# KiCad board led_mapper_850_mirrored.kicad_pcb (continued)
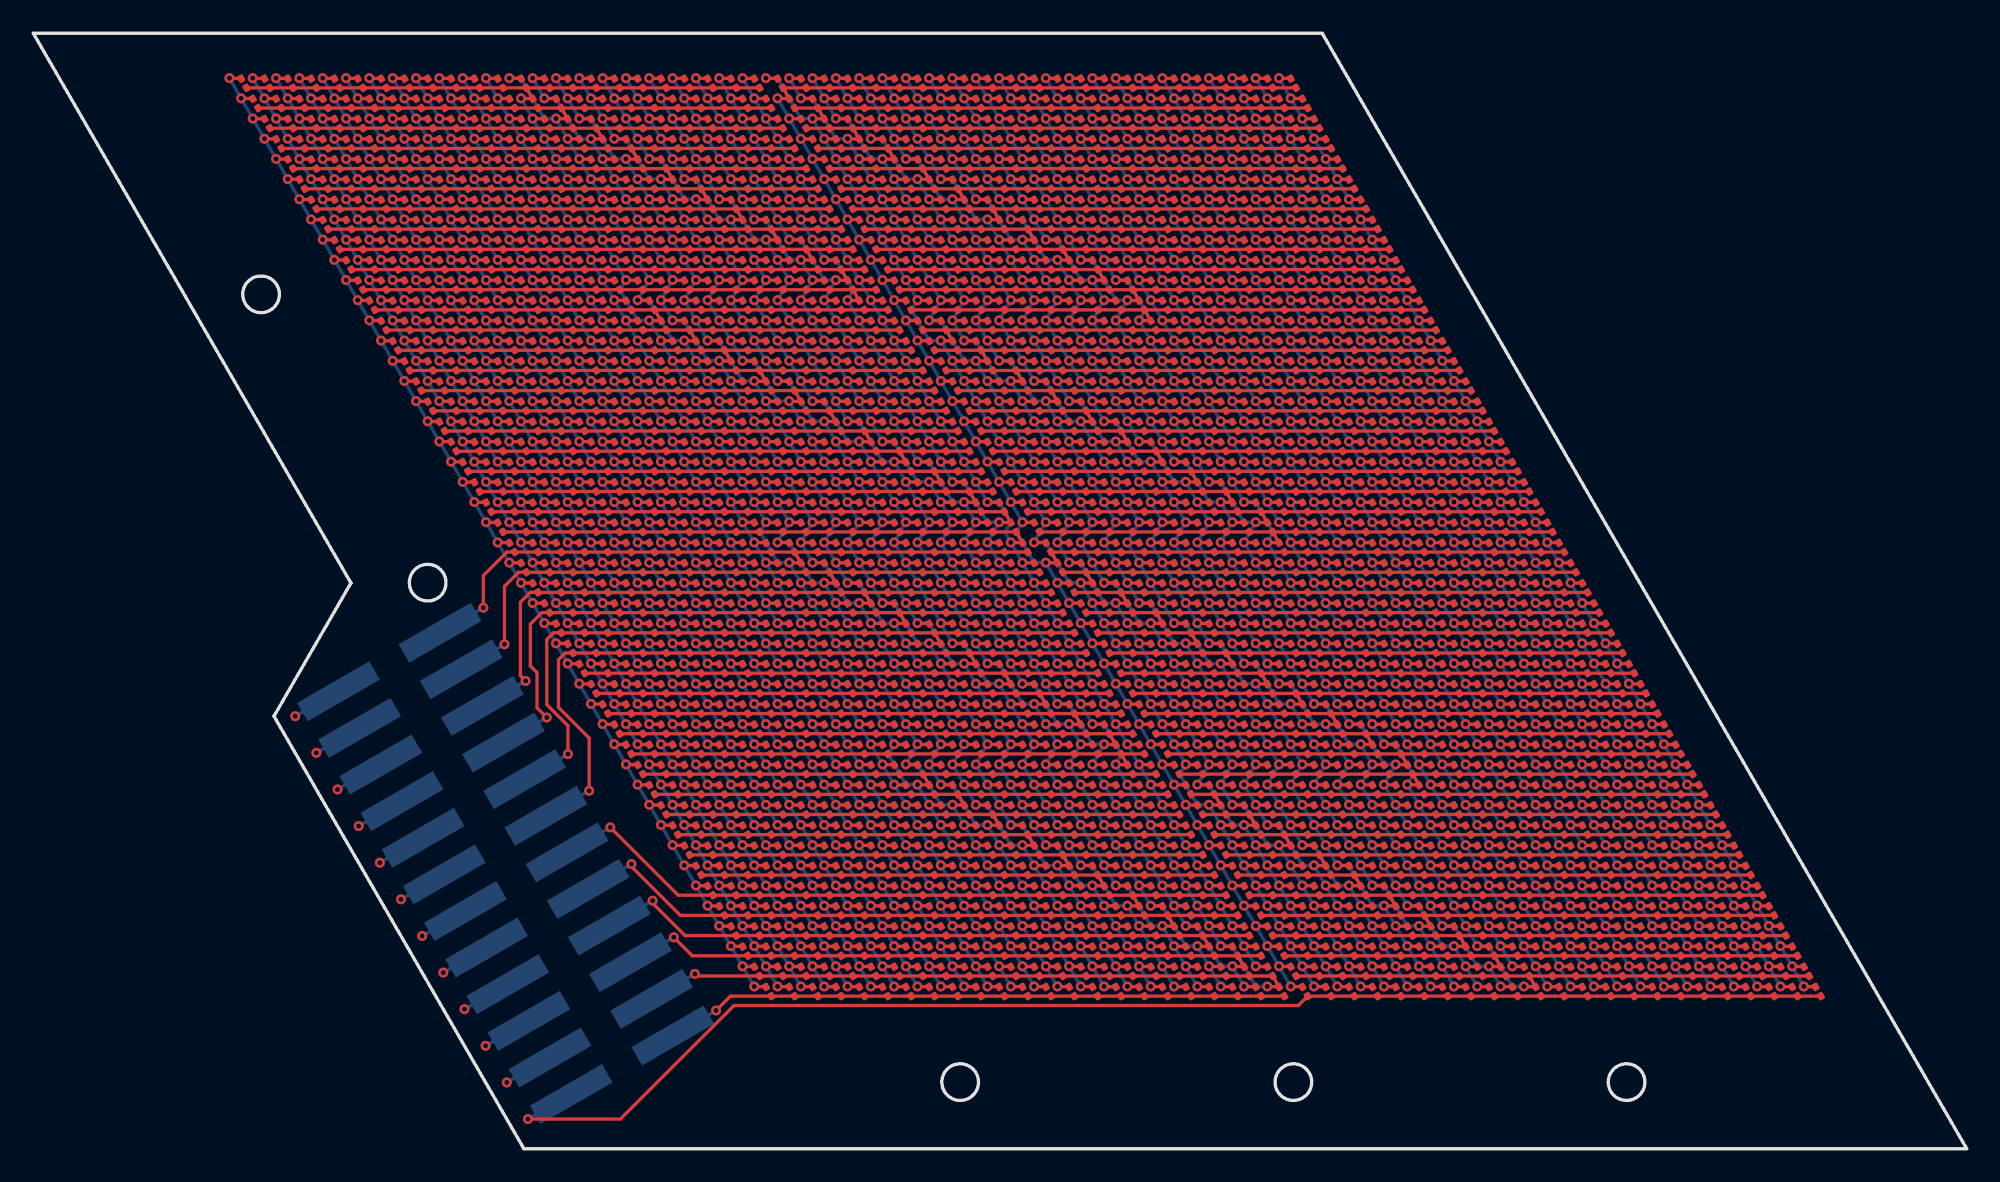
[diagram p0: board, top side]
## Routing (per net, layer and track width the routed paths; a pad name or vN(x,y) marks a point on that pad's centre or on a via; arc(x,y) is an arc through that point) (continued)
/P18: length 380
  Top w0.2: D582.2 v1(34.87,38.84) ; D559.2 v1(67.77,37.63) ; D1709.2 v1(82.47,12.17) ; D277.1 D299.1 ; D1824.2 v1(48.17,15.81) ; D950.2 v1(29.27,48.54) ; D605.2 v1(67.07,38.84) ; D1236.2 v1(38.37,32.78) ; D1778.2 v1(48.87,14.6) ; D697.2 v1(65.67,41.27) ; D1260.2 v1(69.87,31.57) ; D523.2 v1(60.07,50.97) ; D1984.2 v1(76.87,19.45) ; D1489.2 v1(74.77,25.51) ; D1018.2 v1(59.37,49.76) ; D86.2 v1(20.87,63.09) ; D1351.1 D1397.2 v1(73.37,27.93) ; D1144.2 v1(36.97,35.21) ; D362.2 v1(25.07,55.82) ; D454.2 v1(26.47,53.39) ; D536.2 v1(35.57,37.63) ; D1938.2 v1(77.57,18.23) ; D1558.2 v1(43.27,24.3) ; v1(64.97,42.48) D743.2 D789.1 ; D783.1 D805.1 ; D1420.2 v1(41.17,27.93) ; D1076.2 v1(67.07,36.42) ; D812.2 v1(31.37,44.91) ; D431.2 v1(58.67,53.39) ; D674.2 v1(33.47,41.27) ; D500.2 v1(27.17,52.18) ; D316.2 v1(24.37,57.03) ; D996.2 v1(28.57,49.76) ; D408.2 v1(25.77,54.61) ; D1732.2 v1(49.57,13.38) ; D40.2 v1(20.17,64.31) ; D2076.2 v1(75.47,21.87) ; D1512.2 v1(42.57,25.51) ; D880.2 v1(61.47,46.12) ; D1847.1 D1801.2 v1(81.07,14.6) ; D766.2 v1(32.07,43.69) ; D224.2 v1(22.97,59.46) ; D1594.2 v1(51.67,9.75) ; D132.2 v1(21.57,61.88) ; D2054.2 v1(44.67,21.87) ; D1214.2 v1(69.17,32.78) ; D1374.2 v1(40.47,29.15) ; D1306.2 v1(70.57,30.36) ; D1916.2 v1(46.77,18.23) ; D156.2 v1(53.07,60.67) ; D270.2 v1(23.67,58.24) ; v1(57.27,55.82) D339.2 D293.1 ; D477.2 v1(59.37,52.18) ; D1122.2 v1(67.77,35.21) ; D1686.2 v1(50.27,12.17) ; D2008.2 v1(45.37,20.66) ; D1168.2 v1(68.47,33.99) ; D1640.2 v1(50.97,10.96) ; D1443.2 v1(74.07,26.72) ; D926.2 v1(60.77,47.33) ; D64.2 v1(51.67,63.09) ; D858.2 v1(30.67,46.12) ; D385.2 v1(57.97,54.61) ; D1962.2 v1(46.07,19.45) ; D1581.2 v1(76.17,23.08) ; D1892.2 v1(78.27,17.02) ; D1466.2 v1(41.87,26.72) ; D1663.2 v1(83.17,10.96) ; D1841.1 D1863.1 ; D18.2 v1(50.97,64.31) ; D202.2 v1(53.77,59.46) ; D904.2 v1(29.97,47.33) ; D1870.2 v1(47.47,17.02) ; D2100.2 v1(43.97,23.08) ; D110.2 v1(52.37,61.88) ; D1535.2 v1(75.47,24.3) ; D1282.2 v1(39.07,31.57) ; D651.2 v1(66.37,40.06) ; D972.2 v1(60.07,48.54) ; D834.2 v1(62.17,44.91) ; D1335.1 D1357.1 ; D1042.2 v1(27.87,50.97) ; D720.2 v1(32.77,42.48) ; D1098.2 v1(36.27,36.42) ; D248.2 v1(54.47,58.24) ; D178.2 v1(22.27,60.67) ; D628.2 v1(34.17,40.06) ; D1328.2 v1(39.77,30.36) ; D2030.2 v1(76.17,20.66) ; D1617.2 v1(83.87,9.75) ; D1190.2 v1(37.67,33.99) ; D1755.2 v1(81.77,13.38)
  In2.Cu w0.2: v1(23.34,12.78) 35.27,18.2 36.62,18.84 41.17,26.72 v1(41.87,26.72) ; v1(25.07,55.82) 25.42,56.42 56.92,56.42 v1(57.27,55.82)
  Bottom w0.2: J1.6 v1(23.34,12.78) ; v1(83.87,9.75) v1(81.07,14.6) 80.37,14.6 78.97,17.02 v1(78.27,17.02) v1(75.47,21.87) v1(76.17,23.08) v1(73.37,27.93) 72.67,27.93 71.27,30.36 v1(70.57,30.36) v1(67.07,36.42) v1(67.77,37.63) v1(64.97,42.48) 64.27,42.48 62.87,44.91 v1(62.17,44.91) v1(59.37,49.76) v1(60.07,50.97) v1(57.27,55.82) 56.57,55.82 55.17,58.24 v1(54.47,58.24) v1(50.97,64.31) ; v1(20.17,64.31) v1(51.67,9.75)
/P19: length 378.6
  Top w0.2: D604.2 v1(65.67,38.84) ; D1017.2 v1(57.97,49.76) ; D581.2 v1(33.47,38.84) ; D179.2 v1(20.87,60.67) ; D1329.2 v1(38.37,30.36) ; D409.2 v1(24.37,54.61) ; D1513.2 v1(41.17,25.51) ; D1639.2 v1(49.57,10.96) ; D111.2 v1(50.97,61.88) ; v1(71.27,29.15) D1352.2 D1306.1 ; D1593.2 v1(50.27,9.75) ; D1375.2 v1(39.07,29.15) ; v1(55.17,57.03) D294.2 D248.1 ; D995.2 v1(27.17,49.76) ; D2053.2 v1(43.27,21.87) ; D87.2 v1(19.47,63.09) ; D231.1 D253.1 ; D1261.2 v1(68.47,31.57) ; D1467.2 v1(40.47,26.72) ; D1662.2 v1(81.77,10.96) ; D1283.2 v1(37.67,31.57) ; D1536.2 v1(74.07,24.3) ; D1961.2 v1(44.67,19.45) ; D1077.2 v1(65.67,36.42) ; D1685.2 v1(48.87,12.17) ; D1937.2 v1(76.17,18.23) ; D971.2 v1(58.67,48.54) ; D386.2 v1(56.57,54.61) ; D1490.2 v1(73.37,25.51) ; D903.2 v1(28.57,47.33) ; D2029.2 v1(74.77,20.66) ; D1823.2 v1(46.77,15.81) ; D524.2 v1(58.67,50.97) ; D1191.2 v1(36.27,33.99) ; D271.2 v1(22.27,58.24) ; D363.2 v1(23.67,55.82) ; D157.2 v1(51.67,60.67) ; v1(62.87,43.69) D788.2 D834.1 ; D673.2 v1(32.07,41.27) ; D1754.2 v1(80.37,13.38) ; D949.2 v1(27.87,48.54) ; D65.2 v1(50.27,63.09) ; D1215.2 v1(67.77,32.78) ; D1398.2 v1(71.97,27.93) ; D765.2 v1(30.67,43.69) ; D811.2 v1(29.97,44.91) ; D1123.2 v1(66.37,35.21) ; D455.2 v1(25.07,53.39) ; D1915.2 v1(45.37,18.23) ; D1777.2 v1(47.47,14.6) ; D879.2 v1(60.07,46.12) ; D742.2 v1(63.57,42.48) ; D133.2 v1(20.17,61.88) ; D478.2 v1(57.97,52.18) ; D340.2 v1(55.87,55.82) ; D203.2 v1(52.37,59.46) ; D501.2 v1(25.77,52.18) ; D1559.2 v1(41.87,24.3) ; D696.2 v1(64.27,41.27) ; D1731.2 v1(48.17,13.38) ; D1616.2 v1(82.47,9.75) ; D1169.2 v1(67.07,33.99) ; D1289.1 D1311.1 ; D627.2 v1(32.77,40.06) ; D2007.2 v1(43.97,20.66) ; D925.2 v1(59.37,47.33) ; D719.2 v1(31.37,42.48) ; D650.2 v1(64.97,40.06) ; D1892.1 D1846.2 v1(78.97,15.81) ; D1708.2 v1(81.07,12.17) ; D1041.2 v1(26.47,50.97) ; D1099.2 v1(34.87,36.42) ; D558.2 v1(66.37,37.63) ; D1869.2 v1(46.07,17.02) ; D857.2 v1(29.27,46.12) ; D1421.2 v1(39.77,27.93) ; D1145.2 v1(35.57,35.21) ; D2075.2 v1(74.07,21.87) ; D19.2 v1(49.57,64.31) ; D1887.1 D1909.1 ; D1800.2 v1(79.67,14.6) ; D535.2 v1(34.17,37.63) ; D1444.2 v1(72.67,26.72) ; D41.2 v1(18.77,64.31) ; D432.2 v1(57.27,53.39) ; D1237.2 v1(36.97,32.78) ; D1582.2 v1(74.77,23.08) ; D225.2 v1(21.57,59.46) ; D829.1 D851.1 ; D317.2 v1(22.97,57.03) ; D1983.2 v1(75.47,19.45) ; D2099.2 v1(42.57,23.08)
  In2.Cu w0.2: v1(22.97,57.03) 23.32,57.64 54.82,57.64 v1(55.17,57.03) ; v1(22.07,14.98) 34,20.4 35.22,21.26 39.07,27.93 v1(39.77,27.93)
  Bottom w0.2: v1(18.77,64.31) v1(50.27,9.75) ; v1(82.47,9.75) v1(78.97,15.81) 78.27,15.81 76.87,18.23 v1(76.17,18.23) v1(74.07,21.87) v1(74.77,23.08) v1(71.27,29.15) 70.57,29.15 69.17,31.57 v1(68.47,31.57) v1(65.67,36.42) v1(66.37,37.63) v1(62.87,43.69) 62.17,43.69 60.77,46.12 v1(60.07,46.12) v1(57.97,49.76) v1(58.67,50.97) v1(55.17,57.03) 54.47,57.03 53.07,59.46 v1(52.37,59.46) v1(49.57,64.31) ; J1.7 v1(22.07,14.98)
/P20: length 377.2
  Top w0.2: D603.2 v1(64.27,38.84) ; D2074.2 v1(72.67,21.87) ; D66.2 v1(48.87,63.09) ; D410.2 v1(22.97,54.61) ; D1776.2 v1(46.07,14.6) ; D902.2 v1(27.17,47.33) ; D226.2 v1(20.17,59.46) ; D1261.1 D1307.2 v1(69.17,30.36) ; D534.2 v1(32.77,37.63) ; D1284.2 v1(36.27,31.57) ; D1730.2 v1(46.77,13.38) ; D433.2 v1(55.87,53.39) ; D1537.2 v1(72.67,24.3) ; D1937.1 D1891.2 v1(76.87,17.02) ; D185.1 D207.1 ; D2006.2 v1(42.57,20.66) ; D1615.2 v1(81.07,9.75) ; D994.2 v1(25.77,49.76) ; D318.2 v1(21.57,57.03) ; D1353.2 v1(69.87,29.15) ; D1468.2 v1(39.07,26.72) ; D158.2 v1(50.27,60.67) ; D1592.2 v1(48.87,9.75) ; D672.2 v1(30.67,41.27) ; D1330.2 v1(36.97,30.36) ; D42.2 v1(17.37,64.31) ; D649.2 v1(63.57,40.06) ; D1040.2 v1(25.07,50.97) ; D875.1 D897.1 ; D1868.2 v1(44.67,17.02) ; D718.2 v1(29.97,42.48) ; D525.2 v1(57.27,50.97) ; D2028.2 v1(73.37,20.66) ; D134.2 v1(18.77,61.88) ; D1376.2 v1(37.67,29.15) ; D502.2 v1(24.37,52.18) ; D1124.2 v1(64.97,35.21) ; D810.2 v1(28.57,44.91) ; D1707.2 v1(79.67,12.17) ; D1514.2 v1(39.77,25.51) ; D1753.2 v1(78.97,13.38) ; D295.2 v1(53.77,57.03) ; D1422.2 v1(38.37,27.93) ; D456.2 v1(23.67,53.39) ; D764.2 v1(29.27,43.69) ; D1982.2 v1(74.07,19.45) ; D88.2 v1(18.07,63.09) ; D948.2 v1(26.47,48.54) ; D272.2 v1(20.87,58.24) ; D741.2 v1(62.17,42.48) ; D787.2 v1(61.47,43.69) ; D1845.2 v1(77.57,15.81) ; D924.2 v1(57.97,47.33) ; D1016.2 v1(56.57,49.76) ; D1638.2 v1(48.17,10.96) ; D856.2 v1(27.87,46.12) ; D1933.1 D1955.1 ; D1146.2 v1(34.17,35.21) ; D203.1 D249.2 v1(53.07,58.24) ; D1100.2 v1(33.47,36.42) ; D1914.2 v1(43.97,18.23) ; D695.2 v1(62.87,41.27) ; v1(60.77,44.91) D833.2 D879.1 ; D1243.1 D1265.1 ; D341.2 v1(54.47,55.82) ; D1661.2 v1(80.37,10.96) ; D112.2 v1(49.57,61.88) ; D20.2 v1(48.17,64.31) ; D1238.2 v1(35.57,32.78) ; D180.2 v1(19.47,60.67) ; D1560.2 v1(40.47,24.3) ; D970.2 v1(57.27,48.54) ; D1799.2 v1(78.27,14.6) ; D1583.2 v1(73.37,23.08) ; D1491.2 v1(71.97,25.51) ; D1216.2 v1(66.37,32.78) ; D1399.2 v1(70.57,27.93) ; D2098.2 v1(41.17,23.08) ; D1192.2 v1(34.87,33.99) ; D1078.2 v1(64.27,36.42) ; D1822.2 v1(45.37,15.81) ; D1684.2 v1(47.47,12.17) ; D557.2 v1(64.97,37.63) ; D1170.2 v1(65.67,33.99) ; D626.2 v1(31.37,40.06) ; D1445.2 v1(71.27,26.72) ; D364.2 v1(22.27,55.82) ; D479.2 v1(56.57,52.18) ; D1960.2 v1(43.27,19.45) ; D387.2 v1(55.17,54.61) ; D2052.2 v1(41.87,21.87) ; D580.2 v1(32.07,38.84)
  In2.Cu w0.2: v1(20.87,58.24) 21.22,58.85 52.72,58.85 v1(53.07,58.24) ; v1(37.67,29.15) 36.97,29.15 33.82,23.69 32.73,22.6 v1(20.8,17.18)
  Bottom w0.2: J1.8 v1(20.8,17.18) ; v1(81.07,9.75) v1(76.87,17.02) 76.17,17.02 74.77,19.45 v1(74.07,19.45) v1(72.67,21.87) v1(73.37,23.08) v1(69.17,30.36) 68.47,30.36 67.07,32.78 v1(66.37,32.78) v1(64.27,36.42) v1(64.97,37.63) v1(60.77,44.91) 60.07,44.91 58.67,47.33 v1(57.97,47.33) v1(56.57,49.76) v1(57.27,50.97) v1(53.07,58.24) 52.37,58.24 50.97,60.67 v1(50.27,60.67) v1(48.17,64.31) ; v1(17.37,64.31) v1(48.87,9.75)
/P21: length 375.9
  Top w0.2: D1982.1 D1936.2 v1(74.77,18.23) ; D1171.2 v1(64.27,33.99) ; D67.2 v1(47.47,63.09) ; D296.2 v1(52.37,57.03) ; D1798.2 v1(76.87,14.6) ; D1147.2 v1(32.77,35.21) ; D947.2 v1(25.07,48.54) ; D1752.2 v1(77.57,13.38) ; D740.2 v1(60.77,42.48) ; D1867.2 v1(43.27,17.02) ; D625.2 v1(29.97,40.06) ; D480.2 v1(55.17,52.18) ; D855.2 v1(26.47,46.12) ; D1285.2 v1(34.87,31.57) ; D181.2 v1(18.07,60.67) ; D1660.2 v1(78.97,10.96) ; D113.2 v1(48.17,61.88) ; D2005.2 v1(41.17,20.66) ; D1614.2 v1(79.67,9.75) ; D602.2 v1(62.87,38.84) ; D1584.2 v1(71.97,23.08) ; D671.2 v1(29.27,41.27) ; D1197.1 D1219.1 ; D411.2 v1(21.57,54.61) ; D434.2 v1(54.47,53.39) ; D1423.2 v1(36.97,27.93) ; v1(67.07,31.57) D1262.2 D1216.1 ; D556.2 v1(63.57,37.63) ; D503.2 v1(22.97,52.18) ; D1683.2 v1(46.07,12.17) ; D1308.2 v1(67.77,30.36) ; D1354.2 v1(68.47,29.15) ; D365.2 v1(20.87,55.82) ; v1(50.97,59.46) D204.2 D158.1 ; D1561.2 v1(39.07,24.3) ; D579.2 v1(30.67,38.84) ; D273.2 v1(19.47,58.24) ; D694.2 v1(61.47,41.27) ; D457.2 v1(22.27,53.39) ; D250.2 v1(51.67,58.24) ; D1193.2 v1(33.47,33.99) ; D89.2 v1(16.67,63.09) ; D901.2 v1(25.77,47.33) ; D319.2 v1(20.17,57.03) ; D969.2 v1(55.87,48.54) ; D1015.2 v1(55.17,49.76) ; D832.2 v1(59.37,44.91) ; D717.2 v1(28.57,42.48) ; D139.1 D161.1 ; D2073.2 v1(71.27,21.87) ; D1125.2 v1(63.57,35.21) ; D809.2 v1(27.17,44.91) ; D1039.2 v1(23.67,50.97) ; D227.2 v1(18.77,59.46) ; D1377.2 v1(36.27,29.15) ; D1637.2 v1(46.77,10.96) ; D1239.2 v1(34.17,32.78) ; D1469.2 v1(37.67,26.72) ; D1844.2 v1(76.17,15.81) ; D1079.2 v1(62.87,36.42) ; D43.2 v1(15.97,64.31) ; D993.2 v1(24.37,49.76) ; D526.2 v1(55.87,50.97) ; D921.1 D943.1 ; D924.1 D878.2 v1(58.67,46.12) ; D1400.2 v1(69.17,27.93) ; D1591.2 v1(47.47,9.75) ; D388.2 v1(53.77,54.61) ; D135.2 v1(17.37,61.88) ; D1913.2 v1(42.57,18.23) ; D786.2 v1(60.07,43.69) ; D1775.2 v1(44.67,14.6) ; D1538.2 v1(71.27,24.3) ; D1959.2 v1(41.87,19.45) ; D533.2 v1(31.37,37.63) ; D1446.2 v1(69.87,26.72) ; D1729.2 v1(45.37,13.38) ; D1492.2 v1(70.57,25.51) ; D763.2 v1(27.87,43.69) ; D1890.2 v1(75.47,17.02) ; D2051.2 v1(40.47,21.87) ; D1821.2 v1(43.97,15.81) ; D1706.2 v1(78.27,12.17) ; D1515.2 v1(38.37,25.51) ; D21.2 v1(46.77,64.31) ; D648.2 v1(62.17,40.06) ; D2097.2 v1(39.77,23.08) ; D2027.2 v1(71.97,20.66) ; D1331.2 v1(35.57,30.36) ; D342.2 v1(53.07,55.82) ; D1101.2 v1(32.07,36.42) ; D1979.1 D2001.1
  In2.Cu w0.2: v1(50.97,59.46) 50.62,60.06 19.12,60.06 v1(18.77,59.46) ; v1(19.53,19.38) 31.46,24.8 32.42,26.11 34.87,30.36 v1(35.57,30.36)
  Bottom w0.2: J1.9 v1(19.53,19.38) ; v1(79.67,9.75) v1(74.77,18.23) 74.07,18.23 72.67,20.66 v1(71.97,20.66) v1(71.27,21.87) v1(71.97,23.08) v1(67.07,31.57) 66.37,31.57 64.97,33.99 v1(64.27,33.99) v1(62.87,36.42) v1(63.57,37.63) v1(58.67,46.12) 57.97,46.12 56.57,48.54 v1(55.87,48.54) v1(55.17,49.76) v1(55.87,50.97) v1(50.97,59.46) 50.27,59.46 48.87,61.88 v1(48.17,61.88) v1(46.77,64.31) ; v1(15.97,64.31) v1(47.47,9.75)
/P22: length 374.6
  Top w0.2: D1194.2 v1(32.07,33.99) ; v1(64.97,32.78) D1217.2 D1171.1 ; D366.2 v1(19.47,55.82) ; D1447.2 v1(68.47,26.72) ; D2072.2 v1(69.87,21.87) ; D1843.2 v1(74.77,15.81) ; D1151.1 D1173.1 ; D1590.2 v1(46.07,9.75) ; D44.2 v1(14.57,64.31) ; D1240.2 v1(32.77,32.78) ; D320.2 v1(18.77,57.03) ; D1378.2 v1(34.87,29.15) ; D1516.2 v1(36.97,25.51) ; D435.2 v1(53.07,53.39) ; D2027.1 D1981.2 v1(72.67,19.45) ; D113.1 D159.2 v1(48.87,60.67) ; D1797.2 v1(75.47,14.6) ; D578.2 v1(29.27,38.84) ; D458.2 v1(20.87,53.39) ; D532.2 v1(29.97,37.63) ; D739.2 v1(59.37,42.48) ; D647.2 v1(60.77,40.06) ; D854.2 v1(25.07,46.12) ; D1562.2 v1(37.67,24.3) ; D946.2 v1(23.67,48.54) ; D762.2 v1(26.47,43.69) ; D670.2 v1(27.87,41.27) ; D1958.2 v1(40.47,19.45) ; D251.2 v1(50.27,58.24) ; D297.2 v1(50.97,57.03) ; v1(56.57,47.33) D923.2 D969.1 ; D274.2 v1(18.07,58.24) ; D182.2 v1(16.67,60.67) ; D1636.2 v1(45.37,10.96) ; D624.2 v1(28.57,40.06) ; D22.2 v1(45.37,64.31) ; D1080.2 v1(61.47,36.42) ; D1126.2 v1(62.17,35.21) ; D785.2 v1(58.67,43.69) ; D1424.2 v1(35.57,27.93) ; D90.2 v1(15.27,63.09) ; D1263.2 v1(65.67,31.57) ; D716.2 v1(27.17,42.48) ; D1102.2 v1(30.67,36.42) ; D1912.2 v1(41.17,18.23) ; D555.2 v1(62.17,37.63) ; D1401.2 v1(67.77,27.93) ; D2004.2 v1(39.77,20.66) ; D1014.2 v1(53.77,49.76) ; D1682.2 v1(44.67,12.17) ; D900.2 v1(24.37,47.33) ; D1935.2 v1(73.37,18.23) ; D93.1 D115.1 ; D1820.2 v1(42.57,15.81) ; D1889.2 v1(74.07,17.02) ; D1705.2 v1(76.87,12.17) ; D136.2 v1(15.97,61.88) ; D877.2 v1(57.27,46.12) ; D389.2 v1(52.37,54.61) ; D1539.2 v1(69.87,24.3) ; D481.2 v1(53.77,52.18) ; D1038.2 v1(22.27,50.97) ; D68.2 v1(46.07,63.09) ; D343.2 v1(51.67,55.82) ; D228.2 v1(17.37,59.46) ; D693.2 v1(60.07,41.27) ; D1148.2 v1(31.37,35.21) ; D808.2 v1(25.77,44.91) ; D601.2 v1(61.47,38.84) ; D2050.2 v1(39.07,21.87) ; D967.1 D989.1 ; D1493.2 v1(69.17,25.51) ; D527.2 v1(54.47,50.97) ; D1332.2 v1(34.17,30.36) ; D1659.2 v1(77.57,10.96) ; D2025.1 D2047.1 ; D1866.2 v1(41.87,17.02) ; D1355.2 v1(67.07,29.15) ; D2096.2 v1(38.37,23.08) ; D1286.2 v1(33.47,31.57) ; D1728.2 v1(43.97,13.38) ; D992.2 v1(22.97,49.76) ; D1585.2 v1(70.57,23.08) ; D412.2 v1(20.17,54.61) ; D1613.2 v1(78.27,9.75) ; D1470.2 v1(36.27,26.72) ; D1751.2 v1(76.17,13.38) ; D1774.2 v1(43.27,14.6) ; D831.2 v1(57.97,44.91) ; D1309.2 v1(66.37,30.36) ; D504.2 v1(21.57,52.18) ; D205.2 v1(49.57,59.46)
  In2.Cu w0.2: v1(33.47,31.57) 32.77,31.57 31.02,28.54 30.19,27 v1(18.26,21.58) ; v1(48.87,60.67) 48.52,61.27 17.02,61.27 v1(16.67,60.67)
  Bottom w0.2: v1(45.37,64.31) v1(46.07,63.09) 46.77,63.09 48.17,60.67 v1(48.87,60.67) v1(54.47,50.97) v1(53.77,49.76) 54.47,49.76 55.87,47.33 v1(56.57,47.33) v1(62.17,37.63) v1(61.47,36.42) v1(62.17,35.21) 62.87,35.21 64.27,32.78 v1(64.97,32.78) v1(70.57,23.08) v1(69.87,21.87) 70.57,21.87 71.97,19.45 v1(72.67,19.45) v1(78.27,9.75) ; J1.10 v1(18.26,21.58) ; v1(14.57,64.31) v1(46.07,9.75)
/P23: length 372
  Top w0.2: D1105.1 D1127.1 ; D1037.2 v1(20.87,50.97) ; v1(54.47,48.54) D968.2 D1014.1 ; D876.2 v1(55.87,46.12) ; D344.2 v1(50.27,55.82) ; D646.2 v1(59.37,40.06) ; D1494.2 v1(67.77,25.51) ; D1865.2 v1(40.47,17.02) ; D2095.2 v1(36.97,23.08) ; D1540.2 v1(68.47,24.3) ; D1241.2 v1(31.37,32.78) ; D1126.1 D1172.2 v1(62.87,33.99) ; D1471.2 v1(34.87,26.72) ; D899.2 v1(22.97,47.33) ; D807.2 v1(24.37,44.91) ; D367.2 v1(18.07,55.82) ; D2072.1 D2026.2 v1(70.57,20.66) ; D1589.2 v1(44.67,9.75) ; D761.2 v1(25.07,43.69) ; D528.2 v1(53.07,50.97) ; D600.2 v1(60.07,38.84) ; D1819.2 v1(41.17,15.81) ; D669.2 v1(26.47,41.27) ; D1727.2 v1(42.57,13.38) ; D738.2 v1(57.97,42.48) ; D45.2 v1(13.17,64.31) ; D2049.2 v1(37.67,21.87) ; D91.2 v1(13.87,63.09) ; D390.2 v1(50.97,54.61) ; D1425.2 v1(34.17,27.93) ; D1911.2 v1(39.77,18.23) ; D1517.2 v1(35.57,25.51) ; D436.2 v1(51.67,53.39) ; D206.2 v1(48.17,59.46) ; D1081.2 v1(60.07,36.42) ; D1218.2 v1(63.57,32.78) ; D1402.2 v1(66.37,27.93) ; D1149.2 v1(29.97,35.21) ; D47.1 D69.1 ; D945.2 v1(22.27,48.54) ; D298.2 v1(49.57,57.03) ; D1773.2 v1(41.87,14.6) ; D459.2 v1(19.47,53.39) ; D2003.2 v1(38.37,20.66) ; D1379.2 v1(33.47,29.15) ; D577.2 v1(27.87,38.84) ; D1980.2 v1(71.27,19.45) ; D183.2 v1(15.27,60.67) ; D321.2 v1(17.37,57.03) ; D991.2 v1(21.57,49.76) ; D413.2 v1(18.77,54.61) ; D554.2 v1(60.77,37.63) ; D1103.2 v1(29.27,36.42) ; D23.2 v1(43.97,64.31) ; D623.2 v1(27.17,40.06) ; D1563.2 v1(36.27,24.3) ; v1(46.77,61.88) D114.2 D68.1 ; D784.2 v1(57.27,43.69) ; D1704.2 v1(75.47,12.17) ; D1658.2 v1(76.17,10.96) ; D505.2 v1(20.17,52.18) ; D1842.2 v1(73.37,15.81) ; D531.2 v1(28.57,37.63) ; D1888.2 v1(72.67,17.02) ; D922.2 v1(55.17,47.33) ; D1796.2 v1(74.07,14.6) ; D830.2 v1(56.57,44.91) ; D160.2 v1(47.47,60.67) ; D1448.2 v1(67.07,26.72) ; D1934.2 v1(71.97,18.23) ; D137.2 v1(14.57,61.88) ; D1195.2 v1(30.67,33.99) ; D1586.2 v1(69.17,23.08) ; D229.2 v1(15.97,59.46) ; D252.2 v1(48.87,58.24) ; D1635.2 v1(43.97,10.96) ; D1013.1 D1035.1 ; D1957.2 v1(39.07,19.45) ; D482.2 v1(52.37,52.18) ; D1287.2 v1(32.07,31.57) ; D1612.2 v1(76.87,9.75) ; D715.2 v1(25.77,42.48) ; D853.2 v1(23.67,46.12) ; D1750.2 v1(74.77,13.38) ; D1681.2 v1(43.27,12.17) ; D1310.2 v1(64.97,30.36) ; D275.2 v1(16.67,58.24) ; D1356.2 v1(65.67,29.15) ; D2071.1 D2093.1 ; D1333.2 v1(32.77,30.36) ; D692.2 v1(58.67,41.27) ; D1264.2 v1(64.27,31.57)
  In2.Cu w0.2: v1(46.77,61.88) 46.42,62.49 14.92,62.49 v1(14.57,61.88) ; v1(31.37,32.78) 30.67,32.78 29.62,30.96 28.92,29.2 v1(16.99,23.78)
  Bottom w0.2: J1.11 v1(16.99,23.78) ; v1(43.97,64.31) 44.67,64.31 46.07,61.88 v1(46.77,61.88) v1(53.07,50.97) 52.72,50.36 53.77,48.54 v1(54.47,48.54) v1(60.77,37.63) v1(60.07,36.42) 60.77,36.42 62.17,33.99 v1(62.87,33.99) v1(69.17,23.08) 68.82,22.48 69.87,20.66 v1(70.57,20.66) v1(76.87,9.75) ; v1(13.17,64.31) v1(44.67,9.75)
/P24: length 304.1
  Top w0.2: D322.2 v1(15.97,57.03) ; D737.2 v1(56.57,42.48) ; D2002.2 v1(36.97,20.66) ; D1611.2 v1(75.47,9.75) ; D1680.2 v1(41.87,12.17) ; D299.2 v1(48.17,57.03) ; D1818.2 v1(39.77,15.81) ; D622.2 v1(25.77,40.06) ; D1472.2 v1(33.47,26.72) ; D276.2 v1(15.27,58.24) ; D1242.2 v1(29.97,32.78) ; D414.2 v1(17.37,54.61) ; D253.2 v1(47.47,58.24) ; D553.2 v1(59.37,37.63) ; D345.2 v1(48.87,55.82) ; D1403.2 v1(64.97,27.93) ; D529.2 v1(51.67,50.97) ; D1288.2 v1(30.67,31.57) ; v1(60.77,35.21) D1127.2 D1081.1 D1059.1 ; D1518.2 v1(34.17,25.51) ; D1357.2 v1(64.27,29.15) ; D1564.2 v1(34.87,24.3) ; D1634.2 v1(42.57,10.96) ; D1910.2 v1(38.37,18.23) ; D1841.2 v1(71.97,15.81) ; D1196.2 v1(29.27,33.99) ; D1657.2 v1(74.77,10.96) ; D852.2 v1(22.27,46.12) ; D460.2 v1(18.07,53.39) ; D1104.2 v1(27.87,36.42) ; D230.2 v1(14.57,59.46) ; D921.2 v1(53.77,47.33) ; D967.2 v1(53.07,48.54) ; D1311.2 v1(63.57,30.36) ; D1150.2 v1(28.57,35.21) ; D92.2 v1(12.47,63.09) ; D760.2 v1(23.67,43.69) ; D1426.2 v1(32.77,27.93) ; D1587.2 v1(67.77,23.08) ; D1772.2 v1(40.47,14.6) ; D875.2 v1(54.47,46.12) ; D1933.2 v1(70.57,18.23) ; D1749.2 v1(73.37,13.38) ; D1795.2 v1(72.67,14.6) ; D1013.2 v1(52.37,49.76) ; D1726.2 v1(41.17,13.38) ; D645.2 v1(57.97,40.06) ; D944.2 v1(20.87,48.54) ; D1588.2 v1(43.27,9.75) ; D599.2 v1(58.67,38.84) ; D714.2 v1(24.37,42.48) ; D1380.2 v1(32.07,29.15) ; D1541.2 v1(67.07,24.3) ; D806.2 v1(22.97,44.91) ; D1864.2 v1(39.07,17.02) ; D184.2 v1(13.87,60.67) ; D1956.2 v1(37.67,19.45) ; D115.2 v1(45.37,61.88) ; D668.2 v1(25.07,41.27) ; D437.2 v1(50.27,53.39) ; D576.2 v1(26.47,38.84) ; D530.2 v1(27.17,37.63) ; D1703.2 v1(74.07,12.17) ; D46.2 v1(11.77,64.31) ; D2048.2 v1(36.27,21.87) ; D1495.2 v1(66.37,25.51) ; D2025.2 v1(69.17,20.66) ; D1334.2 v1(31.37,30.36) ; D1173.2 v1(61.47,33.99) ; D1979.2 v1(69.87,19.45) ; D161.2 v1(46.07,60.67) ; D990.2 v1(20.17,49.76) ; D483.2 v1(50.97,52.18) ; D138.2 v1(13.17,61.88) ; D1265.2 v1(62.87,31.57) ; D368.2 v1(16.67,55.82) ; D829.2 v1(55.17,44.91) ; D1219.2 v1(62.17,32.78) ; D1.1 D23.1 D69.2 v1(44.67,63.09) ; D391.2 v1(49.57,54.61) ; D691.2 v1(57.27,41.27) ; D506.2 v1(18.77,52.18) ; D2094.2 v1(35.57,23.08) ; D207.2 v1(46.77,59.46) ; D898.2 v1(21.57,47.33) ; D783.2 v1(55.87,43.69) ; D1887.2 v1(71.27,17.02) ; D1449.2 v1(65.67,26.72) ; D2071.2 v1(68.47,21.87) ; D1036.2 v1(19.47,50.97)
  In2.Cu w0.2: v1(44.67,63.09) 44.32,63.7 12.82,63.7 v1(12.47,63.09) ; v1(15.72,25.98) 27.65,31.4 28.22,33.39 28.57,33.99 v1(29.27,33.99)
  Bottom w0.2: J1.12 v1(15.72,25.98) ; v1(44.67,63.09) v1(51.67,50.97) v1(52.37,49.76) v1(59.37,37.63) 59.02,37.03 60.07,35.21 v1(60.77,35.21) v1(67.77,23.08) v1(68.47,21.87) v1(75.47,9.75) ; v1(11.77,64.31) v1(43.27,9.75)
